# Altium PCB Carte_Mere - Copie.PcbDoc (part 2 of 4)
Units mm, origin at the board's own origin, x right, y up, seen from the top; angles counter-clockwise.
Board outline 100 x 70 mm, 4 copper layers (Top Copper, Ground Plane, Power Plane, Bottom Copper), stack 1.57 mm thick; 396 components, 347 nets, 1180 pads, 759 vias.
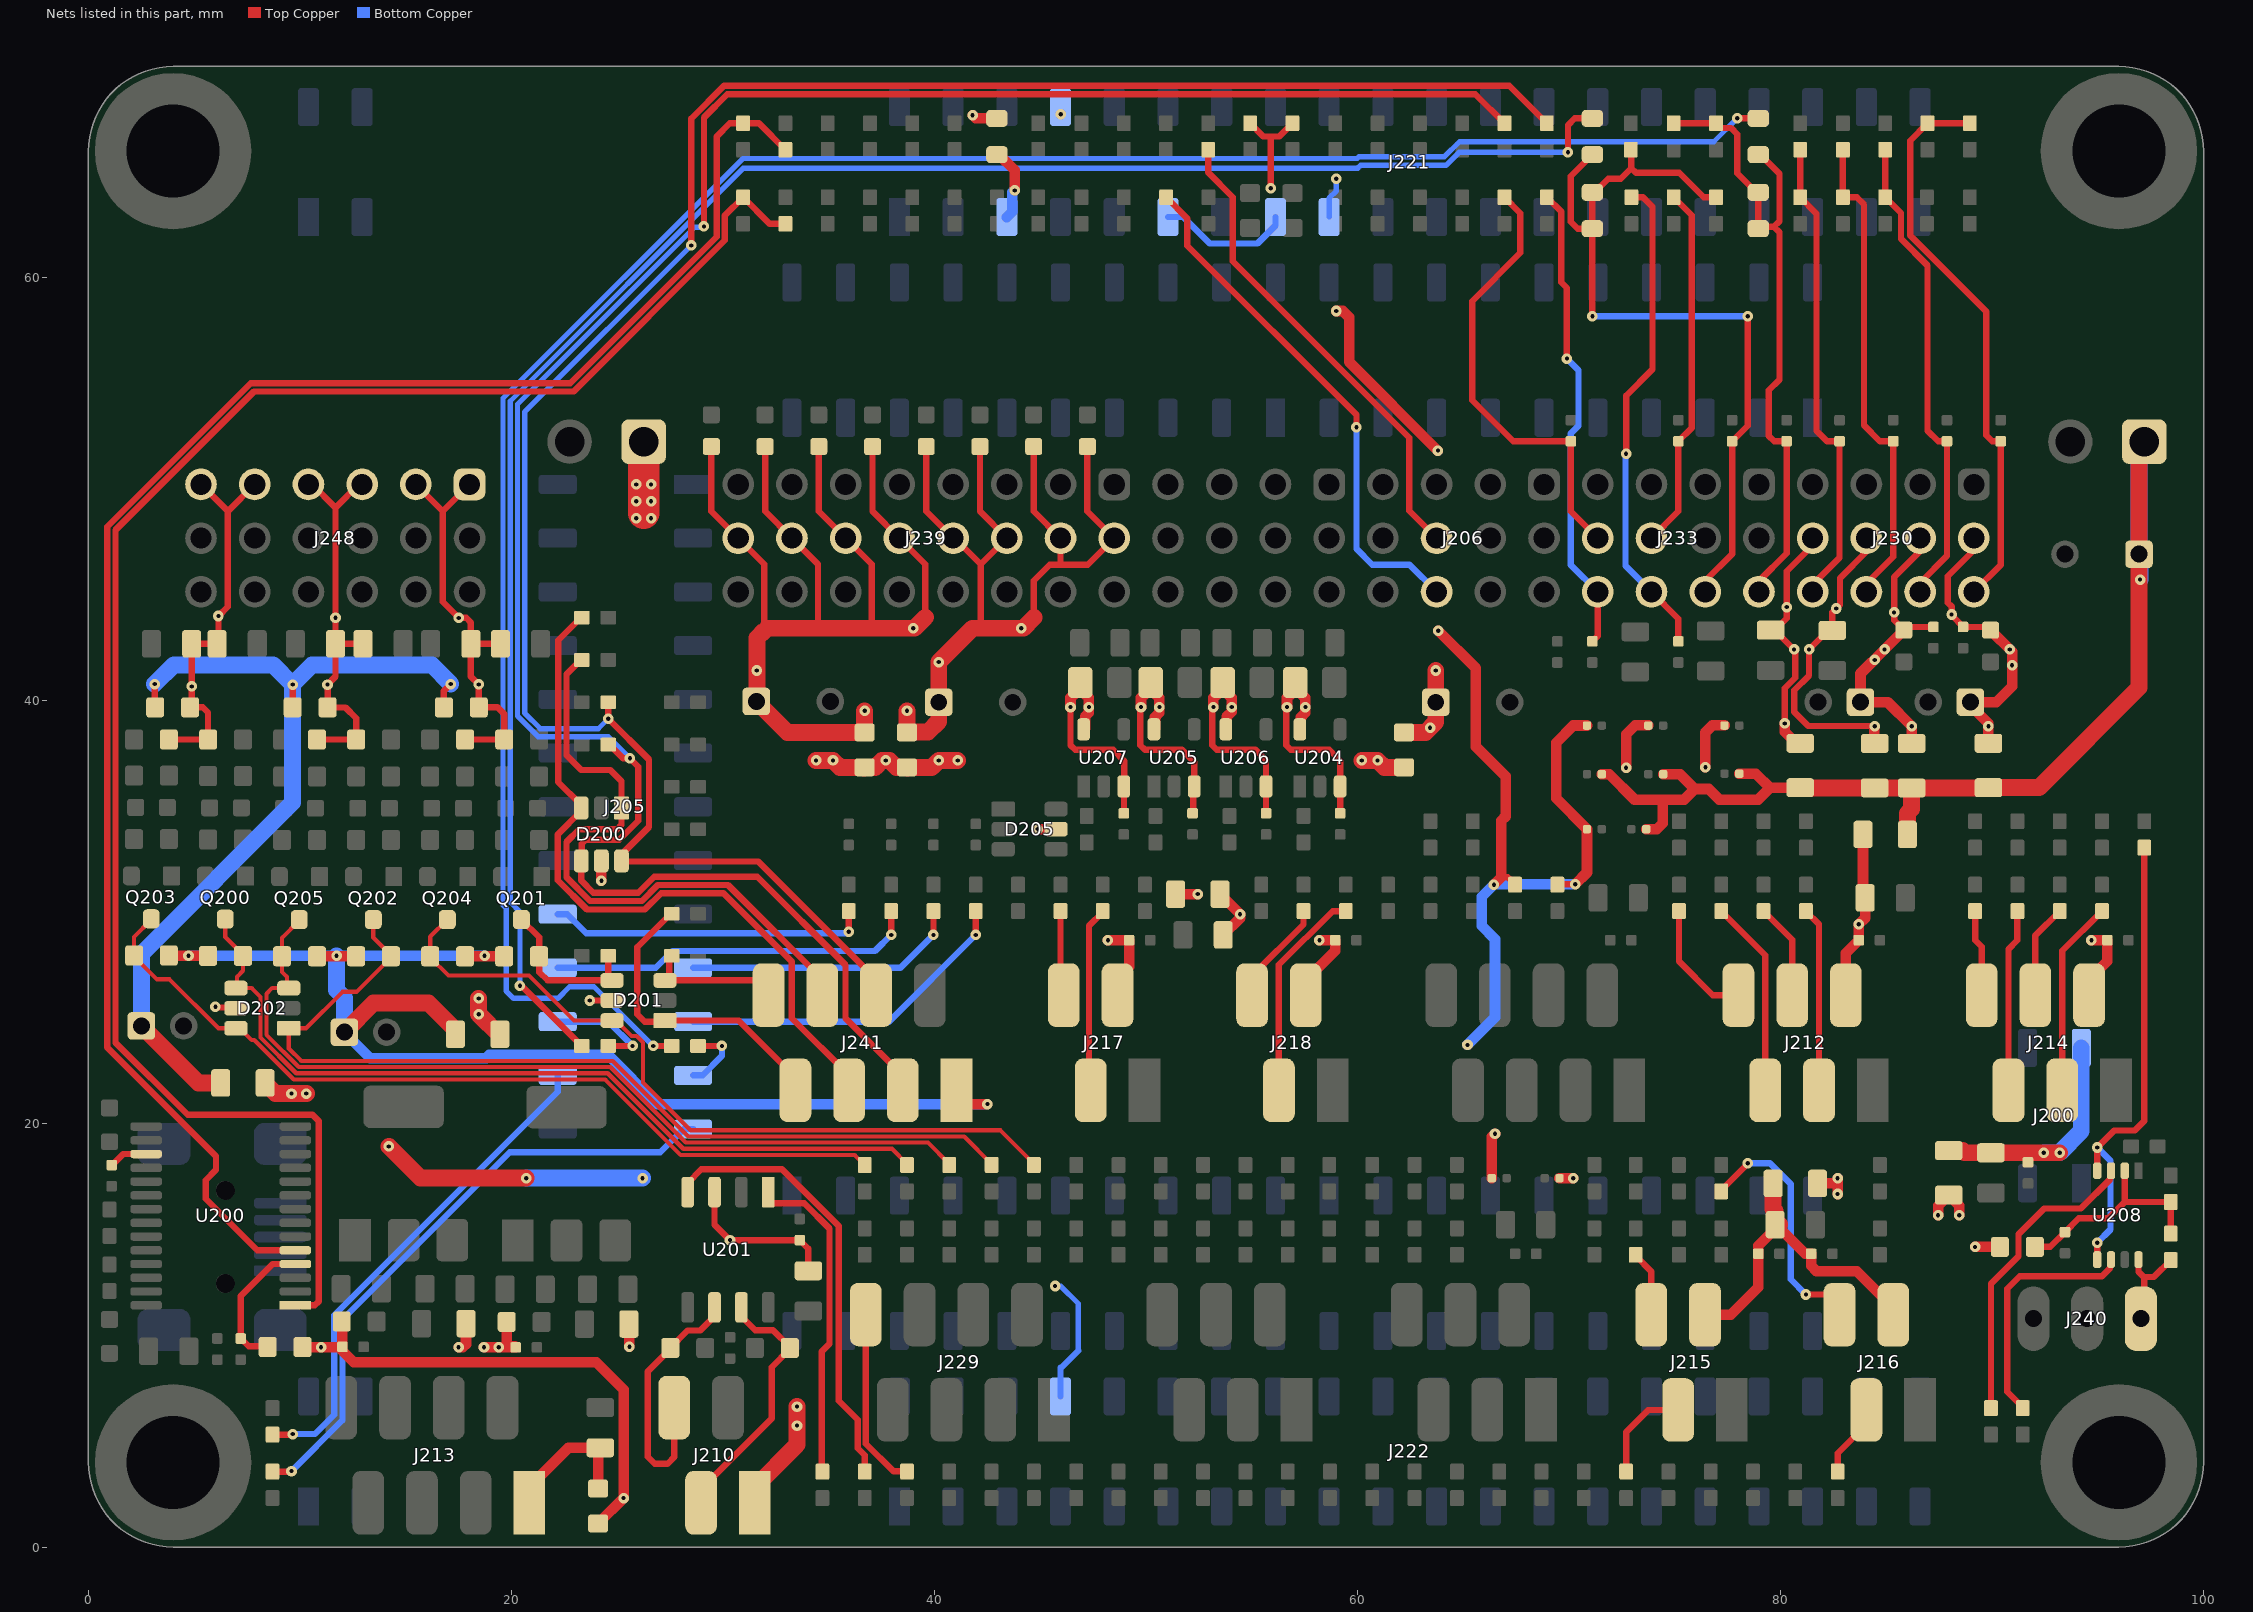
[diagram p4: the nets of this part, all layers, seen from the top]

## Footprints (in the part's own frame and the unit in brackets; to place one, negate y for a bottom-side part, rotate by r counter-clockwise, add the part's x,y. Pads: shape width x height; smd on the part's side, far side on the other; paste and mask are expansions set on the pad) (continued)
TSW-108-08-F-T-RA [mm]
  rrect50% 1.5x1.5 hole 1: 1(-8.89,-2.54)
  round 1.5 hole 1: 2(-8.89,0) 3(-8.89,2.54) 4(-6.35,-2.54) 5(-6.35,0) 6(-6.35,2.54) 7(-3.81,-2.54) 8(-3.81,0) 9(-3.81,2.54) 10(-1.27,-2.54) 11(-1.27,0) 12(-1.27,2.54) 13(1.27,-2.54) 14(1.27,0) 15(1.27,2.54) 16(3.81,-2.54) 17(3.81,0) 18(3.81,2.54) 19(6.35,-2.54) 20(6.35,0) 21(6.35,2.54) 22(8.89,-2.54) 23(8.89,0) 24(8.89,2.54)
  silkscreen extent -10.1,-12.47 10.1,3.6, body extent -10.16,-12.43 10.16,2.87, height 0.6
WCAP-ATG8_5x11x2x0.5 [mm] "Polarized capacitors, Aluminum Electrolytic Capacitors, 2-Leads, Body 5x11x2x0.5"
  rrect30% 1.3x1.3 hole 0.8: 1(1,0)
  round 1.3 hole 0.8: 2(-1,0)
  silkscreen extent -2.51,-2.5 2.5,2.5, body extent -2.49,-2.5 2.48,2.49, height 11.11
WCAP-ATG8_8x11.5x3.5x0.5 [mm] "Polarized capacitors, Aluminum Electrolytic Capacitors, 2-Leads, Body 8x11.5x3.5x0.5"
  rrect30% 1.3x1.3 hole 0.8: 1(1.75,0)
  round 1.3 hole 0.8: 2(-1.75,0)
  silkscreen extent -4,-4 4,4, body extent -3.99,-4 3.97,3.98, height 11.61
"WCAP-CSGP_0402, 1x0.5x0.5" [mm] "WCAP-CSGP Ceramic Capacitors, size 0402, body 1x0.5x0.5"
  rrect30% 0.5x0.5 smd: 1(-0.5,0) 2(0.5,0)
  silkscreen extent 0,-0.25 0,0.25, body extent -0.5,-0.26 0.5,0.26, height 0.52
"WCAP-CSGP_0603, 1.6x0.8x0.8" [mm] "WCAP-CSGP Ceramic Capacitors, size 0603, body 1.6x0.8x0.8"
  rrect30% 0.8x0.8 smd: 1(-0.75,0) 2(0.75,0)
  silkscreen extent -0.13,-0.4 0.13,0.4, body extent -1,-0.39 1,0.39, height 0.8
"WCAP-CSGP_0805, 2x1.25x1.25" [mm] "WCAP-CSGP Ceramic Capacitors, size 0805, body 2x1.25x1.25"
  rrect30% 0.9x1.3 smd: 1(-0.95,0) 2(0.95,0)
  silkscreen extent -0.28,-0.6 0.28,0.6, body extent -1,-0.63 1,0.62, height 1.25
"WE-CBF_0805_High Current" [mm] "SMD EMI Suppression Ferrite  Bead, body 2.0mmx1.2mm"
  rrect30% 0.9x1.3 smd: 1(-1.05,0) 2(1.05,0)
  silkscreen extent -0.25,-0.4 0.25,0.4, body extent -1,-0.6 1,0.6, height 0.93

## Part data
C200 C202 C207 C209 C211 C214 C217 C218 C221 C225 C226 C228 C229 C241 C242 C247 C248 C251 C252 C257 C259: library part "WCAP-CSGP, 885012207026", "CAP CER 10uF 10V X7R 0805", Manufacturer="Wurth Elektronik", Manufacturer Part Number=885012207026, RatedVoltage=10V, SUPPLIER PART NUMBER 1=2495189, CeramicType=X7R, ComponentLink1Description=Datasheet, ComponentLink1URL=http://katalog.we-online.com/pbs/datasheet/885012207026.pdf, Size=0805, SUPPLIER 1=Farnell, SUPPLIER 2=JLCPCB, Supplier Footprint 2=0805, SUPPLIER PART NUMBER 2=C15850
C201 C203 C204 C206 C208 C210 C212 C215 C216 C219 C220 C222 C223 C227 C230 C231 C232 C233 C234 C235 C236 C237 C238 C239 C240 C245 C250 C255 C256 C262 C263 C267: library part "WCAP-CSGP, 885012205037", "CAP CER 100nF 16V X7R 0402", Manufacturer="Wurth Elektronik", Manufacturer Part Number=885012205037, RatedVoltage=16V, CeramicType=X7R, ComponentLink1Description=Datasheet, ComponentLink1URL=http://katalog.we-online.com/pbs/datasheet/885012205037.pdf, Size=0402, SUPPLIER 2=JLCPCB, Supplier Footprint 2=0402, SUPPLIER PART NUMBER 2=C1525
C205: library part "WCAP-CSGP, 885012105012", "CAP CER 1UF 10V X5R 0402", Manufacturer="Wurth Elektronik", Manufacturer Part Number=885012105012, RatedVoltage=10V, CeramicType=X5R, ComponentLink1Description=Datasheet, ComponentLink1URL=http://katalog.we-online.com/pbs/datasheet/885012105012.pdf, Size=0402, SUPPLIER 2=JLCPCB, Supplier Footprint 2=0402, SUPPLIER PART NUMBER 2=C52923
C213 C253 C254 C260 C261: library part "WCAP-CSGP, 885012205061", "CAP CER 1nF 50V X7R 0402", Manufacturer="Wurth Elektronik", Manufacturer Part Number=885012205061, RatedVoltage=50V, CeramicType=X7R, ComponentLink1Description=Datasheet, ComponentLink1URL=http://katalog.we-online.com/pbs/datasheet/885012205061.pdf, Size=0402, SUPPLIER 2=JLCPCB, Supplier Footprint 2=0402, SUPPLIER PART NUMBER 2=C1523
C224 C258 C265 C271: library part "WCAP-ATG8, 860010374012", "CAP Alu 470 UF 20% 16 V", Manufacturer="Wurth Elektronik", Manufacturer Part Number=860010374012, RatedVoltage=16V, ComponentLink1Description=Datasheet, ComponentLink1URL=http://katalog.we-online.de/pbs/datasheet/860010374012.pdf, Size=8mmx11.5mm
C243 C244: library part "WCAP-ATG8, 860010372006", "CAP Alu 100 UF 20% 16 V", Manufacturer="Wurth Elektronik", Manufacturer Part Number=860010372006, RatedVoltage=16V, ComponentLink1Description=Datasheet, ComponentLink1URL=http://katalog.we-online.de/pbs/datasheet/860010372006.pdf, Size=5mmx11mm
C246 C249: library part "WCAP-CSGP, 885012106017", "CAP CER 1UF 16V X5R 0603", Manufacturer="Wurth Elektronik", Manufacturer Part Number=885012106017, RatedVoltage=16V, CeramicType=X5R, ComponentLink1Description=Datasheet, ComponentLink1URL=http://katalog.we-online.com/pbs/datasheet/885012106017.pdf, Size=0603, SUPPLIER 2=JLCPCB, Supplier Footprint 2=0603, SUPPLIER PART NUMBER 2=C15849
C264 C266 C268 C269 C270 C272 C273 C274: library part "WCAP-CSGP, 885012106012", "CAP CER 4.7UF 10V X5R 0603", Manufacturer="Wurth Elektronik", Manufacturer Part Number=885012106012, RatedVoltage=10V, CeramicType=X5R, ComponentLink1Description=Datasheet, ComponentLink1URL=http://katalog.we-online.com/pbs/datasheet/885012106012.pdf, Size=0603, SUPPLIER 2=JLCPCB, Supplier Footprint 2=0603, SUPPLIER PART NUMBER 2=C19666
C275 C276: library part "WCAP-ATG8, 860010672009", "CAP Alu 10 UF 20% 50 V", Manufacturer="Wurth Elektronik", Manufacturer Part Number=860010672009, RatedVoltage=50V, ComponentLink1Description=Datasheet, ComponentLink1URL=http://katalog.we-online.de/pbs/datasheet/860010672009.pdf, Size=5mmx11mm
C277 C279 C280 C283 C285 C286: library part "WCAP-CSGP, 885012207103", "CAP CER 1uF 50V X7R 0805", Manufacturer="Wurth Elektronik", Manufacturer Part Number=885012207103, RatedVoltage=50V, CeramicType=X7R, ComponentLink1Description=Datasheet, ComponentLink1URL=http://katalog.we-online.com/pbs/datasheet/885012207103.pdf, Size=0805, SUPPLIER 2=JLCPCB, Supplier Footprint 2=0805, SUPPLIER PART NUMBER 2=C28323
C278 C281 C282 C284 C287 C288: library part "WCAP-CSGP, 885012206095", "CAP CER 100nF 50V X7R 0603", Manufacturer="Wurth Elektronik", Manufacturer Part Number=885012206095, RatedVoltage=50V, CeramicType=X7R, ComponentLink1Description=Datasheet, ComponentLink1URL=http://katalog.we-online.com/pbs/datasheet/885012206095.pdf, Size=0603, SUPPLIER 2=JLCPCB, Supplier Footprint 2=0603, SUPPLIER PART NUMBER 2=C14663
D200 D201 D202 D205: "WE-TVS TVS Diode 4+1Ch 5V SOT23-6L", Manufacturer="Wurth Elektronik", SUPPLIER PART NUMBER 1=1748613, ComponentLink1Description=Datasheet, ComponentLink1URL=https://www.we-online.com/catalog/datasheet/824001.pdf, Manufacturer Part Number=824001, SUPPLIER 1=Farnell, SUPPLIER 2=JLCPCB, Supplier Footprint 2=SOT-23-6L, SUPPLIER PART NUMBER 2=C85364, Type=TVS
D203 D204: library part "WL-SMCW 0603  150060YS75000", "SMD mono-color Chip LED, WL-SMCW, Yellow", Manufacturer="Wurth Elektronik", SUPPLIER PART NUMBER 1=2322074, ComponentLink1Description=Datasheet, ComponentLink1URL=http://katalog.we-online.com/led/datasheet/150060YS75000.pdf, Manufacturer Part Number=150060YS75000, SUPPLIER 1=Farnell, SUPPLIER 2=JLCPCB, Supplier Footprint 2=LED_0603, SUPPLIER PART NUMBER 2=C72038
FB200 FB201 FB202 FB203 FB204 FB205 FB206 FB207 FB208 FB209 FB210 FB211: library part "WE-CBF, 742792023", "Ferrite Bead 120ohm 0805 3A", Manufacturer="Wurth Elektronik", RatedCurrent=3A, SUPPLIER PART NUMBER 1=1635732, ComponentLink1Description=Manufacturer, ComponentLink1URL=https://www.we-online.com/catalog/en/WE-CBF/?sq=742792023#742792023, ComponentLink2Description=Datasheet, ComponentLink2URL=https://www.we-online.com/catalog/datasheet/742792023.pdf, Manufacturer Part Number=742792023, SUPPLIER 1=Farnell, SUPPLIER 2=JLCPCB, Supplier Footprint 2=0805, SUPPLIER PART NUMBER 2=C1015
H200 H201 H202 H203: "WA-SMST SMT Steel Spacer with through hole, OD6mm, ID3.3xL10mm", Manufacturer="Wurth Elektronik", SUPPLIER PART NUMBER 1=2497637, ComponentLink1Description=Manufacturer, ComponentLink1URL=https://www.we-online.com/catalog/en/SMST_SMD_STEEL_SPACER_3_3_INTERNAL_NON_STOP/#9774100960, ComponentLink2Description=Datasheet, ComponentLink2URL=https://www.we-online.com/catalog/datasheet/9774100960.pdf, Manufacturer Part Number=9774100960, SUPPLIER 1=Farnell
J200: "WR-PHD Socket Header, SMT, pitch 2.54mm, Dual Row, Vertical, 4p", Manufacturer="Wurth Elektronik", SUPPLIER PART NUMBER 1=2827931, ComponentLink1Description=Datasheet, ComponentLink1URL=https://www.we-online.com/catalog/datasheet/610004243021.pdf, Manufacturer Part Number=610004243021, SUPPLIER 1=Farnell
J201 J202 J203 J204: "WR-PHD Socket Header, SMT, pitch 2.54mm, Dual Row, Vertical, 20p", Manufacturer="Wurth Elektronik", SUPPLIER PART NUMBER 1=2827937, ComponentLink1Description=Datasheet, ComponentLink1URL=https://www.we-online.com/catalog/datasheet/610020243021.pdf, Manufacturer Part Number=610020243021, SUPPLIER 1=Farnell
J205: "WR-PHD Socket Header, SMT, pitch 2.54mm, Dual Row, Vertical, 26p", Manufacturer="Wurth Elektronik", SUPPLIER PART NUMBER 1=2827940, ComponentLink1Description=Datasheet, ComponentLink1URL=https://www.we-online.com/catalog/datasheet/610026243021.pdf, Manufacturer Part Number=610026243021, SUPPLIER 1=Farnell
J206 J230 J233 J238: "CONN HEADER R/A 3L x 4POS 2.54MM", Manufacturer=SAMTEC, SUPPLIER PART NUMBER 1=2053041, ComponentLink1Description=Datasheet, ComponentLink1URL=http://cloud.samtec.com/catalog_english/TSW_TH.PDF, Manufacturer Part Number=TSW-104-08-F-T-RA, SUPPLIER 1=Farnell
J207: "Mini USB 2.0 Type B, Receptacle, Horizontal, SMT", Manufacturer="Wurth Elektronik", SUPPLIER PART NUMBER 1=1642036, ComponentLink1Description=Manufacturer, ComponentLink1URL=https://www.we-online.com/catalog/en/COM_SMT_MINI_TYPE_B_HORIZONTAL/#65100516121, ComponentLink2Description=Datasheet, ComponentLink2URL=https://katalog.we-online.com/em/datasheet/65100516121.pdf, Manufacturer Part Number=65100516121, SUPPLIER 1=Farnell
J208 J211 J212 J214: "WR-MM 6p Female SMT Connector with Polarization", Manufacturer="Wurth Electronics Inc.", SUPPLIER PART NUMBER 1=1641849, ComponentLink1Description=Datasheet, ComponentLink1URL=http://katalog.we-online.de/em/datasheet/69036728xx76.pdf, Manufacturer Part Number=690367280676, SUPPLIER 1=Farnell
J209 J213 J229 J241: "WR-MM 8p Female SMT Connector with Polarization", Manufacturer="Wurth Electronics Inc.", SUPPLIER PART NUMBER 1=1641850, ComponentLink1Description=Datasheet, ComponentLink1URL=http://katalog.we-online.de/em/datasheet/69036728xx76.pdf, Manufacturer Part Number=690367280876, SUPPLIER 1=Farnell
J210 J215 J216 J217 J218: "WR-MM 4p Female SMT Connector with Polarization", Manufacturer="Wurth Electronics Inc.", SUPPLIER PART NUMBER 1=1641848, ComponentLink1Description=Datasheet, ComponentLink1URL=http://katalog.we-online.de/em/datasheet/69036728xx76.pdf, Manufacturer Part Number=690367280476, SUPPLIER 1=Farnell
J219 J220: "WR-PHD Socket Header, SMT, pitch 2.54mm, Dual Row, Vertical, 4p", Manufacturer="Wurth Elektronik", SUPPLIER PART NUMBER 1=2827865, ComponentLink1Description=Datasheet, ComponentLink1URL=https://www.we-online.com/catalog/datasheet/61000421821.pdf, Manufacturer Part Number=61000421821, SUPPLIER 1=Farnell
J221 J222: "WR-PHD Socket Header, SMT, pitch 2.54mm, Dual Row, Vertical, 40p", Manufacturer="Wurth Elektronik", SUPPLIER PART NUMBER 1=2827882, ComponentLink1Description=Datasheet, ComponentLink1URL=https://www.we-online.com/catalog/datasheet/61004021821.pdf, Manufacturer Part Number=61004021821, SUPPLIER 1=Farnell
J223 J235 J237: library part CAVALIER_0603_C, "Cavalier soudure \"fermé\" + empreinte dipole 0603"
J225 J226: "WR-TBL 2p Series 3221 - 3.50 mm Horizontal PCB Header", Manufacturer="Wurth Electronics Inc.", SUPPLIER PART NUMBER 1=1841315, ComponentLink1Description=Datasheet, ComponentLink1URL=http://katalog.we-online.de/em/datasheet/6913221100xx.pdf, Manufacturer Part Number=691322110002, SUPPLIER 1=Farnell
J227 J228 J231 J232 J249 J250 J251 J252 J254 J255: library part CAVALIER_DOT, "Cavalier soudure \"ouvert\", pastille fendue 1.2mm"
J234 J236: library part CAVALIER_0603_O, "Cavalier soudure \"ouvert\" + empreinte dipole 0603"
J239: library part TSW-108-08-F-T-RA, "CONN HEADER R/A 3L x 8POS 2.54MM", Manufacturer=SAMTEC, SUPPLIER PART NUMBER 1=2053046, ComponentLink1Description=Datasheet, ComponentLink1URL=http://cloud.samtec.com/catalog_english/TSW_TH.PDF, Manufacturer Part Number=TSW-104-08-F-T-RA, SUPPLIER 1=Farnell
J240: library part 20-03-5035, "CONN HEADER VERT 3POS 2.5MM", Manufacturer=MOLEX, SUPPLIER PART NUMBER 1=9979620, ComponentLink1Description=Datasheet, ComponentLink1URL=http://www.farnell.com/datasheets/1801024.pdf, ComponentLink2Description=Drawings, ComponentLink2URL="http://www.farnell.com/cad/495071.pdf  http://www.farnell.com/cad/1533907.pdf  http://www.farnell.com/cad/1533907.pdf", Manufacturer Part Number=22-03-5035, SUPPLIER 1=Farnell
J248: "CONN HEADER R/A 3L x 6POS 2.54MM", Manufacturer=SAMTEC, SUPPLIER PART NUMBER 1=2053043, ComponentLink1Description=Datasheet, ComponentLink1URL=http://cloud.samtec.com/catalog_english/TSW_TH.PDF, Manufacturer Part Number=TSW-106-08-F-T-RA, SUPPLIER 1=Farnell
Q200 Q201 Q202 Q203 Q204 Q205: "MOSFET N 60V 115MA SOT23", Manufacturer="Changjiang Electronics Tech (CJ)", SUPPLIER PART NUMBER 1=1510761, ComponentLink1Description=Datasheet, ComponentLink1URL=https://datasheet.lcsc.com/szlcsc/1810151612_Changjiang-Electronics-Tech-CJ-2N7002_C8545.pdf, Manufacturer Part Number=2N7002, SUPPLIER 1=Farnell, SUPPLIER 2=JLCPCB, Supplier Footprint 2=SOT-23-3, SUPPLIER PART NUMBER 2=C8545
R200 R205 R206 R211 R248 R249 R250 R251 R253 R261 R264 R266 R267: "RES SMD 0 OHM 1% 1/10W 0603", Manufacturer=Yageo, POWER=100mW, SUPPLIER PART NUMBER 1=2309106, ComponentLink1Description=Manufacturer, ComponentLink1URL=http://www.yageo.com/NewPortal/_en/index.jsp, ComponentLink2Description=Datasheet, ComponentLink2URL=http://www.farnell.com/datasheets/2167052.pdf, Manufacturer Part Number=RC0603FR-070RL, Precision=±1%, SUPPLIER 1=Farnell, SUPPLIER 2=JLCPCB, Supplier Footprint 2=0603, SUPPLIER PART NUMBER 2=C21189, Type="Thick Film", Vmax=50V
R201 R202 R208 R209 R216 R217 R218 R219 R224 R225 R226 R227 R232 R233 R234 R235 R236 R237 R238 R239: "RES SMD 4K7 OHM 1% 1/16W 0402", Manufacturer=Yageo, POWER=63mW, SUPPLIER PART NUMBER 1=9239316, ComponentLink1Description=Manufacturer, ComponentLink1URL=http://www.yageo.com/NewPortal/_en/index.jsp, ComponentLink2Description=Datasheet, ComponentLink2URL=http://www.farnell.com/datasheets/2167052.pdf, Manufacturer Part Number=RC0402FR-074K7L, Precision=±1%, SUPPLIER 1=Farnell, SUPPLIER 2=JLCPCB, Supplier Footprint 2=0402, SUPPLIER PART NUMBER 2=C25900, Type="Thick Film", Vmax=50V
R203 R204: "RES SMD 1K OHM 1% 1/16W 0402", Manufacturer=Yageo, POWER=63mW, SUPPLIER PART NUMBER 1=9239235, ComponentLink1Description=Manufacturer, ComponentLink1URL=http://www.yageo.com/NewPortal/_en/index.jsp, ComponentLink2Description=Datasheet, ComponentLink2URL=http://www.farnell.com/datasheets/2167052.pdf, Manufacturer Part Number=RC0402FR-071KL, Precision=±1%, SUPPLIER 1=Farnell, SUPPLIER 2=JLCPCB, Supplier Footprint 2=0402, SUPPLIER PART NUMBER 2=C11702, Type="Thick Film", Vmax=50V
R207 R210: "RES SMD 68 OHM 1% 1/10W 0603", Manufacturer=Yageo, POWER=100mW, SUPPLIER PART NUMBER 1=9238344, ComponentLink1Description=Manufacturer, ComponentLink1URL=http://www.yageo.com/NewPortal/_en/index.jsp, ComponentLink2Description=Datasheet, ComponentLink2URL=http://www.farnell.com/datasheets/1868787.pdf, Manufacturer Part Number=RC0603FR-0768RL, Precision=±1%, SUPPLIER 1=Farnell, SUPPLIER 2=JLCPCB, Supplier Footprint 2=0603, SUPPLIER PART NUMBER 2=C27592, Type="Thick Film", Vmax=50V
R220 R221 R222 R223 R228 R229 R230 R231 R240 R241 R242 R243 R244 R245 R246 R247 R262 R263 R265: "RES SMD 10K OHM 1% 1/16W 0402", Manufacturer=Yageo, POWER=63mW, SUPPLIER PART NUMBER 1=9239359, ComponentLink1Description=Manufacturer, ComponentLink1URL=http://www.yageo.com/NewPortal/_en/index.jsp, ComponentLink2Description=Datasheet, ComponentLink2URL=http://www.farnell.com/datasheets/2167052.pdf, Manufacturer Part Number=RC0402FR-0710KL, Precision=±1%, SUPPLIER 1=Farnell, SUPPLIER 2=JLCPCB, Supplier Footprint 2=0402, SUPPLIER PART NUMBER 2=C25744, Type="Thick Film", Vmax=50V
R252 R254 R257 R258: "RES 0.01 OHM 1% 500mW 0805", Manufacturer=Bourns, POWER=500mW, SUPPLIER PART NUMBER 1=2372977, ComponentLink1Description=Manufacturer, ComponentLink1URL=https://www.bourns.com/docs/Product-Datasheets/CRF.pdf, ComponentLink2Description=Datasheet, ComponentLink2URL=http://www.farnell.com/datasheets/1970564.pdf, Manufacturer Part Number=CRF0805-FZ-R010ELF, Precision=±1%, SUPPLIER 1=Farnell, Type="Thick film", Vmax=200V
R255 R256 R259 R260: "RES SMD 100K OHM 1% 1/16W 0402", Manufacturer=Yageo, POWER=63mW, SUPPLIER PART NUMBER 1=9239472, ComponentLink1Description=Manufacturer, ComponentLink1URL=http://www.yageo.com/NewPortal/_en/index.jsp, ComponentLink2Description=Datasheet, ComponentLink2URL=http://www.farnell.com/datasheets/2167052.pdf, Manufacturer Part Number=RC0402FR-07100KL, Precision=±1%, SUPPLIER 1=Farnell, SUPPLIER 2=JLCPCB, Supplier Footprint 2=0402, SUPPLIER PART NUMBER 2=C25741, Type="Thick Film", Vmax=50V
R268 R269 R270 R271 R272 R273 R274 R275 R276 R277 R278 R279 R280 R281 R282 R283 R284 R285 R286 R287 R288 R289 R290 R291: "RES SMD 10K OHM 1% 1/10W 0603", Manufacturer=Yageo, POWER=100mW, SUPPLIER PART NUMBER 1=9238603, ComponentLink1Description=Manufacturer, ComponentLink1URL=http://www.yageo.com/NewPortal/_en/index.jsp, ComponentLink2Description=Datasheet, ComponentLink2URL=http://www.farnell.com/datasheets/2167052.pdf, Manufacturer Part Number=RC0603FR-0710KL, Precision=±1%, SUPPLIER 1=Farnell, SUPPLIER 2=JLCPCB, Supplier Footprint 2=0603, SUPPLIER PART NUMBER 2=C25804, Type="Thick Film", Vmax=50V
R292 R293 R294 R295 R296 R297 R298 R299 R300 R301 R302 R303 R304 R305 R306 R307 R308 R309 R310 R311 R312 R313 R314 R315 R316 R317 R318 R319 R320 R321 R322 R323 R324 R325 R326 R327 R328 R329 R330 R331 R332 R333 R334 R335 R336 R337 R338 R339 R340 R341 R342 R343 R344 R345 R346 R347 R348 R349 R350 R351 R352 R353 R354 R355 R356 R357 R358 R359 R360 R361 R362 R363 R364 R365 R366 R367 R368 R369 R370 R371 R372 R373 R374 R375 R376 R377 R378 R379 R380 R381 R382 R383 R384 R385 R386 R387 R388 R389 R390 R391 R392 R393 R394 R395 R396 R397 R398 R399 R400 R401 R402 R403 R404 R405 R406 R407 R408 R409 R410 R411 R412 R413 R414 R415 R416 R417 R418 R419 R420 R421 R422 R423 R424 R425: "RES SMD 22 OHM 1% 1/16W 0402", Manufacturer=Yageo, POWER=63mW, SUPPLIER PART NUMBER 1=9239030, ComponentLink1Description=Manufacturer, ComponentLink1URL=http://www.yageo.com/NewPortal/_en/index.jsp, ComponentLink2Description=Datasheet, ComponentLink2URL=http://www.farnell.com/datasheets/2167052.pdf, Manufacturer Part Number=RC0402FR-0722RL, Precision=±1%, SUPPLIER 1=Farnell, SUPPLIER 2=JLCPCB, Supplier Footprint 2=0402, SUPPLIER PART NUMBER 2=C25092, Type="Thick Film", Vmax=50V
U200: "USB VERS UART CMS SSOP28 232", Manufacturer=FTDI, SUPPLIER PART NUMBER 1=1146032, ComponentLink1Description=Datasheet, ComponentLink1URL=http://www.farnell.com/datasheets/2007793.pdf, Manufacturer Part Number=FT232RL, SUPPLIER 1=Farnell, SUPPLIER 2=JLCPCB, Supplier Footprint 2=SSOP-28_5.3x10.2x0.65P, SUPPLIER PART NUMBER 2=C8690
U201: "IC TRANSCEIVER CAN HI-SPD 8-SOIC", Manufacturer="Microchip Technology", SUPPLIER PART NUMBER 1=9758569, ComponentLink1Description=Datasheet, ComponentLink1URL=http://www.farnell.com/datasheets/657417.pdf, Manufacturer Part Number=MCP2551-I/SN, SUPPLIER 1=Farnell, SUPPLIER 2=JLCPCB, Supplier Footprint 2=SOIC-8_3.9x4.9x1.27P, SUPPLIER PART NUMBER 2=C7439
U202 U203: "LDO 3.3V 1A SOT223-3", Manufacturer="Diodes Inc.", SUPPLIER PART NUMBER 1=1825376, ComponentLink1Description=Datasheet, ComponentLink1URL=http://www.farnell.com/datasheets/1769101.pdf, ComponentLink2Description=Manufacturer, ComponentLink2URL=https://www.diodes.com/part/view/ZLDO1117, Manufacturer Part Number=ZLDO1117G33TA, SUPPLIER 1=Farnell, SUPPLIER 2=JLCPCB, Supplier Footprint 2=SOT-223, SUPPLIER PART NUMBER 2=C6186, Type=LDO